# KiCad board MXKeyboard.kicad_pcb (continued)
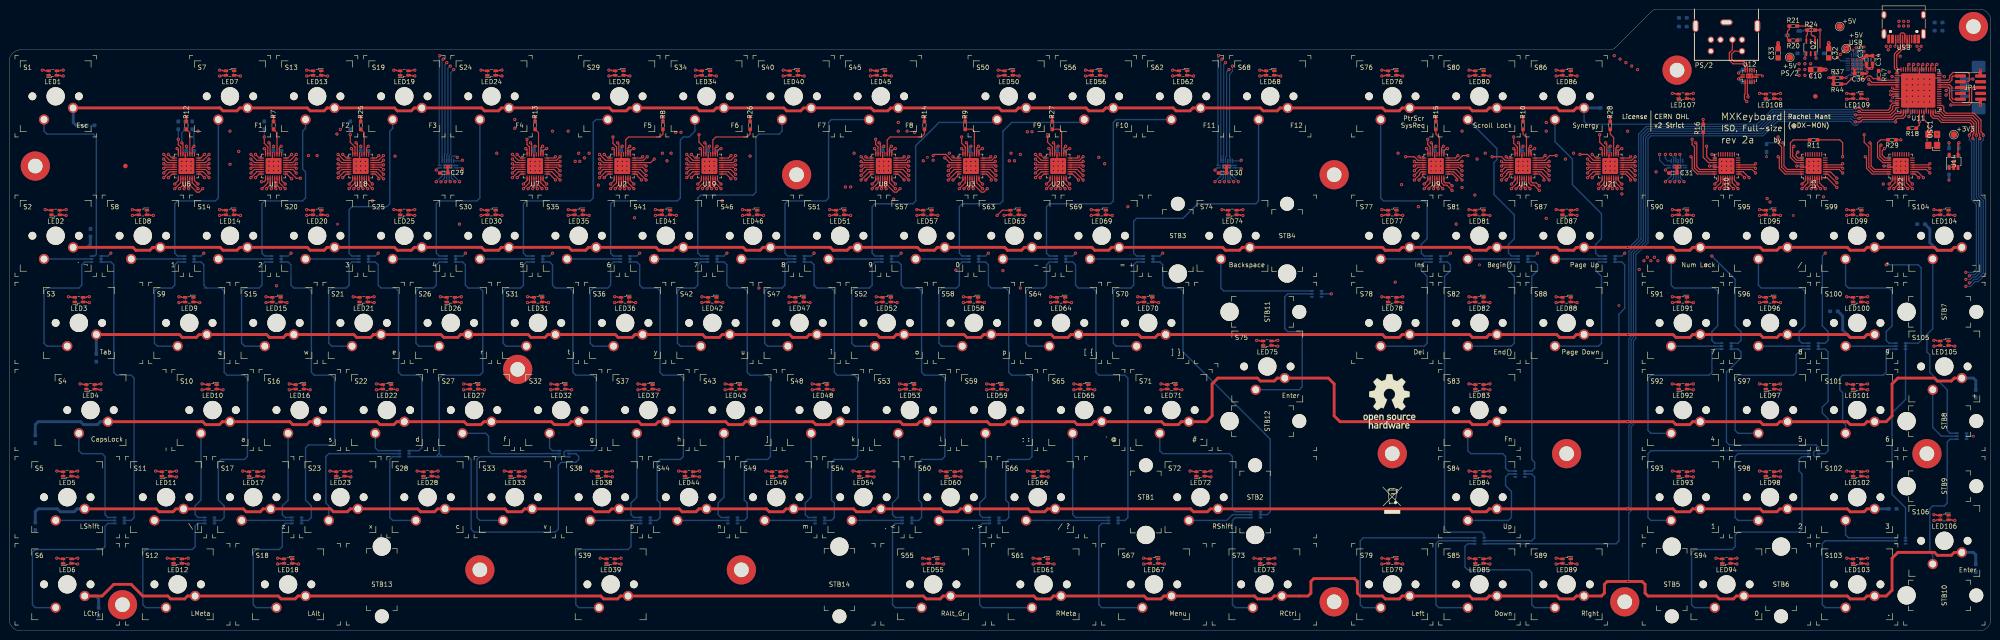
[diagram p0: board, top side]
## Routing (per net, layer and track width the routed paths; a pad name or vN(x,y) marks a point on that pad's centre or on a via; arc(x,y) is an arc through that point) (continued)
Net-(LED48-Pad3): length 93.5
  Top w0.254: v1(138.43,103.63) 138.15,103.35 U2.24 ; LED48.3 176.16,52.84 176.02,52.71 v1(175.51,52.71)
  Route10 w0.254: v1(138.43,103.63) 139.19,104.39 139.83,104.39 140.21,104.01 140.21,102.74 140.72,102.24 141.73,102.24 154.31,89.66 154.31,77.47 154.94,76.84 180.97,76.84 181.61,76.2 181.61,57.15 177.16,52.71 v1(175.51,52.71)
Net-(LED49-Pad2): length 108.2
  Top w0.254: v1(187.2,103.63) 187.48,103.35 U8.1 ; LED49.2 169.28,33.79 169.42,33.66 v1(169.93,33.66)
  Route4 w0.254: v1(169.93,33.66) 176.53,33.66 177.16,34.29 177.16,35.56 177.8,36.2 184.78,36.2 185.42,36.83 185.42,55.25 184.78,55.88 181.61,55.88 180.97,56.52 180.97,74.93 180.34,75.57 172.08,75.57 171.45,76.2 171.45,90.04 185.8,104.39 186.44,104.39 v1(187.2,103.63)
Net-(LED49-Pad3): length 97.2
  Top w0.254: v1(206.25,103.63) 206.53,103.35 U3.1 ; LED49.3 169.28,34.79 169.42,34.93 v1(169.93,34.93)
  Route10 w0.254: v1(206.25,103.63) 204.98,102.36 203.58,102.36 189.87,88.65 189.87,76.2 189.23,75.57 183.51,75.57 182.88,74.93 182.88,56.52 183.51,55.88 184.78,55.88 185.42,55.25 185.42,44.45 175.89,34.93 v1(169.93,34.93)
Net-(LED50-Pad2): length 44.2
  Top w0.254: v1(186.18,103.63) 186.96,102.85 U8.2 ; v1(216.15,122.56) 216.66,122.56 216.8,122.42 LED50.2
  Route4 w0.254: v1(216.15,122.56) 207.64,122.56 v1(194.31,109.22)
  Route6 w0.254: v1(194.31,109.22) 193.67,108.59 187.32,108.59 186.69,107.95 186.69,104.14 v1(186.18,103.63)
Net-(LED50-Pad3): length 39
  Top w0.254: v1(201.93,103.89) 202.18,104.14 204.72,104.14 206.01,102.85 U3.2 ; v1(216.15,121.29) 216.66,121.29 216.8,121.42 LED50.3
  Route10 w0.254: v1(216.15,121.29) 202.56,121.29 201.93,120.65 v1(201.93,103.89)
Net-(LED51-Pad2): length 17.7
  Top w0.254: v1(186.18,102.62) 186.45,102.35 U8.3 ; v1(179.32,92.08) 179.83,92.08 179.97,91.94 LED51.2
  Route4 w0.254: v1(179.32,92.08) 179.32,93.85 182.5,97.03 v1(182.75,97.03)
  Route10 w0.254: v1(186.18,102.62) 185.8,102.62 184.78,101.6 184.78,99.06 v1(182.75,97.03)
Net-(LED51-Pad3): length 35.4
  Top w0.254: v1(204.47,103.38) 205.5,102.35 U3.3 ; v1(179.32,90.81) 179.83,90.81 179.97,90.94 LED51.3
  Route10 w0.254: v1(179.32,90.81) 180.97,90.81 182.25,92.08 192.28,92.08 203.58,103.38 v1(204.47,103.38)
Net-(LED52-Pad2): length 37.9
  Top w0.254: v1(186.18,101.6) 186.43,101.85 U8.4 ; LED52.2 190.13,72.89 189.99,73.03 v1(189.48,73.03)
  Route4 w0.254: v1(183.9,97.03) 183.9,96.52 184.53,95.89 187.96,95.89 188.59,95.25 188.59,73.91 v1(189.48,73.03)
  Route10 w0.254: v1(186.18,101.6) 185.93,101.6 185.42,101.09 185.42,98.55 v1(183.9,97.03)
Net-(LED52-Pad3): length 43.7
  Top w0.254: v1(205.23,101.6) 205.48,101.85 U3.4 ; v1(189.48,71.76) 189.99,71.76 190.13,71.89 LED52.3
  Route10 w0.254: v1(189.48,71.76) 188.59,71.76 187.96,72.39 187.96,74.3 188.59,74.93 189.87,74.93 190.5,75.57 190.5,88.27 203.83,101.6 v1(205.23,101.6)
Net-(LED53-Pad2): length 79.3
  Top w0.254: v1(186.18,100.58) 186.95,101.35 U8.5 ; LED53.2 195.21,53.84 195.07,53.98 v1(194.56,53.98)
  Route4 w0.254: v1(186.18,100.58) 183.01,100.58 172.08,89.66 172.08,76.84 172.72,76.2 180.97,76.2 181.61,75.57 181.61,57.15 182.25,56.52 193.67,56.52 194.56,55.63 v1(194.56,53.98)
Net-(LED53-Pad3): length 71
  Top w0.254: v1(205.23,100.58) 206,101.35 U3.5 ; LED53.3 195.21,52.84 195.07,52.71 v1(194.56,52.71)
  Route10 w0.254: v1(205.23,100.58) 203.83,100.58 191.13,87.88 191.13,75.57 191.77,74.93 200.02,74.93 200.66,74.3 200.66,57.15 196.21,52.71 v1(194.56,52.71)
Net-(LED54-Pad2): length 122.4
  Top w0.254: v1(186.18,99.57) 187.46,100.85 U8.6 ; LED54.2 188.33,33.79 188.47,33.66 v1(188.98,33.66)
  Route4 w0.254: v1(186.18,99.57) 183.01,99.57 172.72,89.28 172.72,77.47 173.35,76.84 181.61,76.84 182.25,76.2 182.25,57.79 182.88,57.15 203.83,57.15 204.47,56.52 204.47,38.1 203.83,37.47 198.12,37.47 197.48,36.83 197.48,34.29 196.85,33.66 v1(188.98,33.66)
Net-(LED54-Pad3): length 96.5
  Top w0.254: v1(205.23,99.57) 206.51,100.85 U3.6 ; LED54.3 188.33,34.79 188.47,34.93 v1(188.98,34.93)
  Route10 w0.254: v1(205.23,99.57) 203.83,99.57 191.77,87.5 191.77,76.2 192.4,75.57 200.66,75.57 201.29,74.93 201.29,56.52 201.93,55.88 203.83,55.88 204.47,55.25 204.47,44.45 194.94,34.93 v1(188.98,34.93)
Net-(LED55-Pad2): length 132.1
  Top w0.254: v1(186.18,98.55) 187.98,100.35 U8.7 ; LED55.2 200.29,15.74 200.15,15.88 v1(199.64,15.88)
  Route4 w0.254: v1(199.64,15.88) 198.75,15.88 198.12,16.51 198.12,36.2 198.75,36.83 204.47,36.83 205.1,37.47 205.1,57.15 204.47,57.79 183.51,57.79 182.88,58.42 182.88,76.84 182.25,77.47 173.99,77.47 173.35,78.11 173.35,88.9 183.01,98.55 v1(186.18,98.55)
Net-(LED55-Pad3): length 110.8
  Top w0.254: v1(205.23,98.55) 207.03,100.35 U3.7 ; LED55.3 200.29,14.74 200.15,14.61 v1(199.64,14.61)
  Route10 w0.254: v1(199.64,14.61) 198.12,14.61 197.48,15.24 197.48,36.2 205.1,43.82 205.1,55.88 204.47,56.52 202.56,56.52 201.93,57.15 201.93,75.57 201.29,76.2 193.04,76.2 192.4,76.84 192.4,87.12 203.83,98.55 v1(205.23,98.55)
Net-(LED56-Pad2): length 72.7
  Top w0.254: v1(187.2,98.55) 188.21,99.57 188.21,99.7 188.37,99.85 U8.8 ; LED56.2 235.85,122.42 235.71,122.56 v1(235.2,122.56)
  Route4 w0.254: v1(235.2,122.56) 233.93,123.83 207.01,123.83 v1(194.31,111.13)
  Route6 w0.254: v1(194.31,111.13) 192.4,109.22 186.06,109.22 185.42,108.59 185.42,98.3 185.93,97.79 186.44,97.79 v1(187.2,98.55)
Net-(LED56-Pad3): length 61.3
  Top w0.254: v1(206.25,98.55) 206.38,98.55 207.26,99.44 207.26,99.7 207.42,99.85 U3.8 ; LED56.3 235.85,121.42 235.71,121.29 v1(235.2,121.29)
  Route10 w0.254: v1(235.2,121.29) 227.33,121.29 226.06,120.02 203.83,120.02 203.2,119.38 203.2,104.14 v1(201.93,102.87)
  Route12 w0.254: v1(201.93,102.87) 202.44,102.36 205.61,102.36 206.25,101.73 v1(206.25,98.55)
Net-(LED57-Pad2): length 17.3
  Top w0.254: v1(188.59,97.66) 189.38,98.45 U8.9 ; LED57.2 199.02,91.94 198.88,92.08 v1(198.37,92.08)
  Route4 w0.254: v1(193.29,94.36) 193.29,92.71 193.93,92.08 v1(198.37,92.08)
  Route6 w0.254: v1(193.29,94.36) 192.4,95.25 192.4,97.16 191.9,97.66 v1(188.59,97.66)
Net-(LED57-Pad3): length 17.4
  Top w0.254: v1(207.64,97.66) 208.44,98.45 U3.9 ; v1(198.37,90.81) 198.88,90.81 199.02,90.94 LED57.3
  Route10 w0.254: v1(207.64,97.66) 206.38,96.39 206.38,92.71 205.74,92.08 201.29,92.08 200.02,90.81 v1(198.37,90.81)
Net-(LED58-Pad2): length 46.1
  Top w0.254: v1(188.59,96.65) 189.88,97.94 U8.10 ; LED58.2 209.18,72.89 209.04,73.03 v1(208.53,73.03)
  Route4 w0.254: v1(208.53,73.03) 204.47,73.03 202.56,74.93 189.87,74.93 189.23,75.57 189.23,96.01 v1(188.59,96.65)
Net-(LED58-Pad3): length 32.1
  Top w0.254: v1(207.64,96.65) 208.94,97.94 U3.10 ; v1(208.53,71.76) 209.04,71.76 209.18,71.89 LED58.3
  Route10 w0.254: v1(208.53,71.76) 207.64,71.76 207.01,72.39 207.01,74.3 207.64,74.93 208.28,74.93 208.91,75.57 208.91,95.38 v1(207.64,96.65)
Net-(LED59-Pad2): length 77.7
  Top w0.254: v1(189.61,96.65) 190.38,97.42 U8.11 ; v1(213.61,53.98) 214.12,53.98 214.26,53.84 LED59.2
  Route4 w0.254: v1(213.61,53.98) 215.9,53.98 218.44,56.52 218.44,74.3 217.81,74.93 203.83,74.93 203.2,75.57 190.5,75.57 189.87,76.2 189.87,96.39 v1(189.61,96.65)
Net-(LED59-Pad3): length 59.6
  Top w0.254: v1(208.66,96.65) 209.44,97.42 U3.11 ; v1(213.61,52.71) 214.12,52.71 214.26,52.84 LED59.3
  Route10 w0.254: v1(208.66,96.65) 209.55,95.76 209.55,75.57 210.19,74.93 217.81,74.93 218.44,74.3 218.44,55.88 215.26,52.71 v1(213.61,52.71)
Net-(LED60-Pad2): length 112.5
  Top w0.254: v1(190.63,96.65) 190.88,96.91 U8.12 ; LED60.2 207.38,33.79 207.52,33.66 v1(208.03,33.66)
  Route4 w0.254: v1(190.63,96.65) 190.5,96.52 190.5,76.84 191.13,76.2 203.83,76.2 204.47,75.57 218.44,75.57 219.07,74.93 219.07,56.52 219.71,55.88 222.88,55.88 223.52,55.25 223.52,38.1 222.88,37.47 217.17,37.47 216.53,36.83 216.53,34.29 215.9,33.66 v1(208.03,33.66)
Net-(LED60-Pad3): length 87.6
  Top w0.254: v1(209.68,96.65) 209.94,96.91 U3.12 ; LED60.3 207.38,34.79 207.52,34.93 v1(208.03,34.93)
  Route10 w0.254: v1(209.68,96.65) 210.19,96.14 210.19,76.2 210.82,75.57 218.44,75.57 219.07,74.93 219.07,56.52 219.71,55.88 222.88,55.88 223.52,55.25 223.52,44.45 214,34.93 v1(208.03,34.93)
Net-(LED61-Pad2): length 128.6
  Top w0.254: v1(191.64,96.65) 191.38,96.91 U8.13 ; LED61.2 224.42,15.74 224.28,15.88 v1(223.77,15.88)
  Route4 w0.254: v1(191.64,96.65) 191.13,96.14 191.13,77.47 191.77,76.84 204.47,76.84 205.1,76.2 219.07,76.2 219.71,75.57 219.71,57.15 220.34,56.52 223.52,56.52 224.15,55.88 224.15,37.47 223.52,36.83 217.81,36.83 217.17,36.2 217.17,16.51 217.81,15.88 v1(223.77,15.88)
Net-(LED61-Pad3): length 107.9
  Top w0.254: v1(210.69,96.65) 210.44,96.91 U3.13 ; LED61.3 224.42,14.74 224.28,14.61 v1(223.77,14.61)
  Route10 w0.254: v1(223.77,14.61) 217.17,14.61 216.53,15.24 216.53,36.2 224.15,43.82 224.15,55.88 223.52,56.52 220.34,56.52 219.71,57.15 219.71,75.57 219.07,76.2 211.45,76.2 210.82,76.84 210.82,96.52 v1(210.69,96.65)
Net-(LED62-Pad2): length 85.2
  Top w0.254: v1(194.69,96.65) 193.93,95.89 193.42,95.89 191.88,97.42 U8.14 ; v1(254.25,122.56) 254.76,122.56 254.9,122.42 LED62.2
  Route4 w0.254: v1(196.21,109.22) 197.48,110.49 200.66,110.49 210.19,120.02 251.71,120.02 v1(254.25,122.56)
  Route6 w0.254: v1(194.69,96.65) 194.69,97.79 193.67,98.81 193.67,104.14 194.31,104.78 195.58,104.78 196.21,105.41 v1(196.21,109.22)
Net-(LED62-Pad3): length 66.5
  Top w0.254: v1(213.74,96.65) 212.98,95.89 212.47,95.89 210.94,97.42 U3.14 ; LED62.3 254.9,121.42 254.76,121.29 v1(254.25,121.29)
  Route4 w0.254: v1(213.74,96.65) 215.39,96.65 219.71,100.97 v1(219.71,102.74)
  Route10 w0.254: v1(219.71,102.74) 219.71,111.13 220.34,111.76 225.42,111.76 226.06,112.4 226.06,117.48 228.6,120.02 245.11,120.02 246.38,121.29 v1(254.25,121.29)
Net-(LED63-Pad2): length 37.6
  Top w0.254: v1(193.67,96.65) 192.38,97.94 U8.15 ; LED63.2 217.03,91.94 v1(215.9,90.81)
  Route4 w0.254: v1(193.67,96.65) 192.4,95.38 192.4,90.17 193.04,89.54 214.63,89.54 v1(215.9,90.81)
Net-(LED63-Pad3): length 14
  Top w0.254: v1(212.72,96.65) 211.44,97.94 U3.15 ; v1(217.42,90.81) 217.93,90.81 218.07,90.94 LED63.3
  Route10 w0.254: v1(217.42,90.81) 217.42,92.46 216.53,93.35 213.36,93.35 212.72,93.98 v1(212.72,96.65)
Net-(LED64-Pad2): length 62.9
  Top w0.254: v1(193.67,97.66) 192.88,98.45 U8.16 ; v1(227.58,73.03) 228.09,73.03 228.23,72.89 LED64.2
  Route4 w0.254: v1(227.58,73.03) 222.88,73.03 222.25,73.66 222.25,76.2 221.62,76.84 205.74,76.84 205.1,77.47 192.4,77.47 191.77,78.11 191.77,95.76 v1(193.67,97.66)
Net-(LED64-Pad3): length 44.6
  Top w0.254: v1(212.72,97.66) 211.94,98.45 U3.16 ; LED64.3 228.23,71.89 228.09,71.76 v1(227.58,71.76)
  Route10 w0.254: v1(227.58,71.76) 226.69,71.76 226.06,72.39 226.06,76.2 225.42,76.84 212.09,76.84 211.45,77.47 211.45,96.39 v1(212.72,97.66)
Net-(LED65-Pad2): length 86.6
  Top w0.254: v1(195.58,98.55) 194.28,99.85 U8.17 ; v1(232.66,53.98) 233.17,53.98 233.31,53.84 LED65.2
  Route4 w0.254: v1(195.58,98.55) 196.34,97.79 198.5,97.79 204.22,92.08 223.01,92.08 227.33,87.76 227.33,75.57 227.96,74.93 236.85,74.93 237.49,74.3 237.49,56.52 234.95,53.98 v1(232.66,53.98)
Net-(LED65-Pad3): length 70.4
  Top w0.254: U3.17 213.59,99.85 214.63,98.81 v1(214.63,98.55) ; LED65.3 233.31,52.84 233.17,52.71 v1(232.66,52.71)
  Route10 w0.254: v1(214.63,98.55) 215.39,97.79 217.3,97.79 227.33,87.76 227.33,75.57 227.96,74.93 238.12,74.93 238.76,74.3 238.76,57.15 234.31,52.71 v1(232.66,52.71)
Net-(LED66-Pad2): length 123.5
  Top w0.254: v1(196.6,98.55) 194.8,100.35 U8.18 ; v1(227.08,33.66) 226.57,33.66 226.43,33.79 LED66.2
  Route4 w0.254: v1(196.6,98.55) 198.75,98.55 204.6,92.71 223.39,92.71 227.96,88.14 227.96,76.2 228.6,75.57 237.49,75.57 238.12,74.93 238.12,56.52 238.76,55.88 241.94,55.88 242.57,55.25 242.57,34.29 241.94,33.66 v1(227.08,33.66)
Net-(LED66-Pad3): length 103.2
  Top w0.254: v1(215.65,98.55) 213.85,100.35 U3.18 ; LED66.3 226.43,34.79 226.57,34.93 v1(227.08,34.93)
  Route10 w0.254: v1(215.65,98.55) 217.55,98.55 227.96,88.14 227.96,76.2 228.6,75.57 238.76,75.57 239.39,74.93 239.39,56.52 240.03,55.88 241.94,55.88 242.57,55.25 242.57,35.56 241.94,34.93 v1(227.08,34.93)
Net-(LED67-Pad2): length 131.6
  Top w0.254: v1(196.6,99.57) 195.31,100.85 U8.19 ; v1(247.9,15.88) 248.41,15.88 248.55,15.74 LED67.2
  Route4 w0.254: v1(196.6,99.57) 198.75,99.57 204.98,93.35 223.77,93.35 228.6,88.52 228.6,76.84 229.23,76.2 238.12,76.2 238.76,75.57 238.76,57.15 239.39,56.52 242.57,56.52 243.2,55.88 243.2,16.51 243.84,15.88 v1(247.9,15.88)
Net-(LED67-Pad3): length 113.8
  Top w0.254: v1(215.65,99.57) 214.36,100.85 U3.19 ; LED67.3 248.55,14.74 248.41,14.61 v1(247.9,14.61)
  Route10 w0.254: v1(215.65,99.57) 217.55,99.57 228.6,88.52 228.6,76.84 229.23,76.2 239.39,76.2 240.03,75.57 240.03,57.15 240.66,56.52 242.57,56.52 243.2,55.88 243.2,15.24 243.84,14.61 v1(247.9,14.61)
Net-(LED68-Pad2): length 100.8
  Top w0.254: v1(196.6,100.58) 195.83,101.35 U8.20 ; v1(273.3,122.56) 273.81,122.56 273.95,122.42 LED68.2
  Route4 w0.254: v1(197.87,108.97) 198.12,109.22 220.34,109.22 221.62,110.49 224.79,110.49 226.06,109.22 244.47,109.22 245.11,109.86 245.11,118.11 245.75,118.75 252.73,118.75 254,120.02 270.76,120.02 v1(273.3,122.56)
  Route6 w0.254: v1(197.87,108.97) 197.48,108.59 197.48,101.09 196.98,100.58 v1(196.6,100.58)
Net-(LED68-Pad3): length 81.9
  Top w0.254: v1(215.65,100.58) 214.88,101.35 U3.20 ; LED68.3 273.95,121.42 273.81,121.29 v1(273.3,121.29)
  Route6 w0.254: v1(220.98,104.14) 220.34,103.51 217.17,103.51 216.53,102.87 216.53,101.09 216.03,100.58 v1(215.65,100.58)
  Route10 w0.254: v1(273.3,121.29) 272.03,120.02 249.56,120.02 248.92,119.38 248.92,109.86 248.28,109.22 227.96,109.22 226.69,110.49 221.62,110.49 220.98,109.86 v1(220.98,104.14)
Net-(LED69-Pad2): length 49.3
  Top w0.254: v1(196.6,101.6) 196.35,101.85 U8.21 ; LED69.2 237.12,91.94 236.98,92.08 v1(236.47,92.08)
  Route4 w0.254: v1(236.47,92.08) 229.11,92.08 225.3,95.89 206.5,95.89 199.77,102.62 v1(199.77,102.74)
  Route10 w0.254: v1(199.77,102.74) 198.63,101.6 v1(196.6,101.6)
Net-(LED69-Pad3): length 30.8
  Top w0.254: v1(215.65,101.6) 215.4,101.85 U3.21 ; LED69.3 237.12,90.94 236.98,90.81 v1(236.47,90.81)
  Route4 w0.254: v1(218.57,102.74) 217.42,101.6 v1(215.65,101.6)
  Route10 w0.254: v1(218.57,102.74) 218.57,102.62 230.38,90.81 v1(236.47,90.81)
Net-(LED70-Pad2): length 74.9
  Top w0.254: v1(196.6,102.62) 196.33,102.35 U8.22 ; LED70.2 247.28,72.89 247.14,73.03 v1(246.63,73.03)
  Route4 w0.254: v1(196.6,102.62) 196.72,102.62 205.36,93.98 224.15,93.98 229.23,88.9 229.23,77.47 229.87,76.84 240.66,76.84 241.3,76.2 241.3,73.66 241.94,73.03 v1(246.63,73.03)
Net-(LED70-Pad3): length 57.3
  Top w0.254: v1(215.52,102.62) 215.25,102.35 U3.22 ; LED70.3 247.28,71.89 247.14,71.76 v1(246.63,71.76)
  Route10 w0.254: v1(246.63,71.76) 241.3,71.76 240.66,72.39 240.66,76.2 240.03,76.84 229.87,76.84 229.23,77.47 229.23,88.9 216.53,101.6 216.53,101.85 215.77,102.62 v1(215.52,102.62)
Net-(LED71-Pad2): length 105.1
  Top w0.254: v1(196.6,103.63) 195.81,102.85 U8.23 ; v1(251.71,53.98) 252.22,53.98 252.36,53.84 LED71.2
  Route4 w0.254: v1(196.6,103.63) 196.72,103.63 205.74,94.62 224.54,94.62 229.87,89.28 229.87,78.11 230.5,77.47 250.19,77.47 256.54,71.12 256.54,56.52 254,53.98 v1(251.71,53.98)
Net-(LED71-Pad3): length 87.5
  Top w0.254: v1(215.52,103.63) 214.74,102.85 U3.23 ; v1(251.71,52.71) 252.22,52.71 252.36,52.84 LED71.3
  Route10 w0.254: v1(215.52,103.63) 215.77,103.63 217.04,102.36 217.04,102.11 229.87,89.28 229.87,78.11 230.5,77.47 250.82,77.47 256.54,71.76 256.54,55.88 253.37,52.71 v1(251.71,52.71)
Net-(LED72-Pad2): length 128.6
  Top w0.254: v1(195.58,103.63) 195.3,103.35 U8.24 ; v1(262.64,33.66) 262.13,33.66 261.99,33.79 LED72.2
  Route4 w0.254: v1(195.58,103.63) 196.34,104.39 196.98,104.39 206.12,95.25 224.92,95.25 230.5,89.66 230.5,78.74 231.14,78.11 250.82,78.11 257.17,71.76 257.17,56.52 257.81,55.88 260.98,55.88 261.62,55.25 261.62,46.99 260.98,46.36 260.98,34.29 261.62,33.66 v1(262.64,33.66)
Net-(LED72-Pad3): length 115.9
  Top w0.254: v1(214.5,103.63) 214.22,103.35 U3.24 ; v1(262.64,34.93) 262.13,34.93 261.99,34.79 LED72.3
  Route10 w0.254: v1(214.5,103.63) 215.26,104.39 216.03,104.39 217.55,102.87 217.55,102.62 230.5,89.66 230.5,78.74 231.14,78.11 250.82,78.11 254,81.28 257.17,81.28 260.35,78.11 262.25,78.11 262.89,77.47 262.89,38.74 261.62,37.47 261.62,35.94 v1(262.64,34.93)
Net-(LED73-Pad2): length 137.4
  Top w0.254: v1(308.1,103.63) 308.38,103.35 U9.1 ; v1(276.61,14.61) 276.1,14.61 275.96,14.74 LED73.2
  Route4 w0.254: v1(276.61,14.61) 268.6,14.61 267.97,15.24 267.97,39.37 263.52,43.82 263.52,74.3 264.16,74.93 291.46,74.93 292.1,75.57 292.1,89.54 306.2,103.63 v1(308.1,103.63)
Net-(LED73-Pad3): length 152.4
  Top w0.254: v1(327.15,103.63) 327.43,103.35 U4.1 ; LED73.3 275.96,15.74 276.1,15.88 v1(276.61,15.88)
  Route10 w0.254: v1(276.61,15.88) 275.34,17.15 268.6,17.15 267.97,17.78 267.97,39.37 263.52,43.82 263.52,73.66 264.16,74.3 280.03,74.3 283.84,78.11 311.15,78.11 311.78,78.74 311.78,89.03 324.87,102.11 324.87,103 325.5,103.63 v1(327.15,103.63)
Net-(LED74-Pad2): length 46.7
  Top w0.254: v1(305.18,103.63) 307.09,103.63 307.87,102.85 U9.2 ; v1(269.62,90.81) 269.11,90.81 268.98,90.94 LED74.2
  Route4 w0.254: v1(269.62,90.81) 292.35,90.81 v1(305.18,103.63)
Net-(LED74-Pad3): length 88.5
  Top w0.254: v1(324.1,103.63) 326.14,103.63 326.92,102.85 U4.2 ; LED74.3 268.98,91.94 269.11,92.08 v1(269.62,92.08)
  Route10 w0.254: v1(269.62,92.08) 274.32,92.08 274.95,91.44 274.95,81.92 275.59,81.28 281.31,81.28 283.84,78.74 310.51,78.74 311.15,79.38 311.15,89.41 324.1,102.36 v1(324.1,103.63)
Net-(LED75-Pad2): length 65.7
  Top w0.254: v1(307.09,102.62) 307.35,102.35 U9.3 ; LED75.2 276.6,62.37 276.73,62.23 v1(277.24,62.23)
  Route4 w0.254: v1(277.24,62.23) 292.1,62.23 292.73,62.87 292.73,89.15 306.2,102.62 v1(307.09,102.62)
Net-(LED75-Pad3): length 89.7
  Top w0.254: v1(326.14,102.62) 326.4,102.35 U4.3 ; v1(277.24,63.5) 276.73,63.5 276.6,63.37 LED75.3
  Route10 w0.254: v1(277.24,63.5) 279.4,63.5 283.21,59.69 312.42,59.69 313.06,60.33 313.06,88.27 320.04,95.25 v1(320.29,95.25)
  Route12 w0.254: v1(320.29,95.25) 324.74,99.7 324.74,101.98 325.37,102.62 v1(326.14,102.62)
Net-(LED76-Pad2): length 41.7
  Top w0.254: v1(307.09,101.6) 307.34,101.85 U9.4 ; LED76.2 300.62,122.42 300.48,122.56 v1(299.97,122.56)
  Route10 w0.254: v1(307.09,101.6) 295.27,101.6 294.64,102.24 294.64,121.92 295.27,122.56 v1(299.97,122.56)
Net-(LED76-Pad3): length 46.3
  Top w0.254: v1(326.14,101.6) 326.39,101.85 U4.4 ; v1(299.97,121.29) 300.48,121.29 300.62,121.42 LED76.3
  Route6 w0.254: v1(317.5,109.22) 317.5,103.89 319.79,101.6 v1(326.14,101.6)
  Route10 w0.254: v1(317.5,109.22) 316.87,109.86 314.32,109.86 313.69,110.49 313.69,119.38 313.06,120.02 301.24,120.02 v1(299.97,121.29)
Net-(LED77-Pad2): length 15.4
  Top w0.254: v1(307.09,100.58) 307.85,101.35 U9.5 ; LED77.2 300.62,91.94 300.48,92.08 v1(299.97,92.08)
  Route4 w0.254: v1(299.97,92.08) 299.97,93.35 304.16,97.54 v1(304.29,97.54)
  Route10 w0.254: v1(304.29,97.54) 304.29,97.79 v1(307.09,100.58)
Net-(LED77-Pad3): length 35.5
  Top w0.254: v1(326.14,100.58) 326.9,101.35 U4.5 ; v1(299.97,90.81) 300.48,90.81 300.62,90.94 LED77.3
  Route6 w0.254: v1(317.5,96.9) 317.63,96.9 321.56,100.84 325.88,100.84 v1(326.14,100.58)
  Route10 w0.254: v1(317.5,96.9) 317.5,96.77 311.53,90.81 307.97,90.81 306.7,92.08 302.89,92.08 301.62,90.81 v1(299.97,90.81)
Net-(LED78-Pad2): length 50.1
  Top w0.254: v1(307.09,99.57) 308.37,100.85 U9.6 ; LED78.2 303.9,71.89 304.04,71.76 v1(304.55,71.76)
  Route4 w0.254: v1(307.09,99.57) 304.16,99.57 293.37,88.77 293.37,72.39 294,71.76 v1(304.55,71.76)
Net-(LED78-Pad3): length 45.5
  Top w0.254: v1(326.14,99.57) 327.42,100.85 U4.6 ; v1(304.55,73.03) 304.04,73.03 303.9,72.89 LED78.3
  Route10 w0.254: v1(326.14,99.57) 323.34,99.57 312.42,88.65 312.42,73.66 311.78,73.03 v1(304.55,73.03)
Net-(LED79-Pad2): length 119
  Top w0.254: v1(307.09,98.55) 308.23,99.7 308.23,99.95 308.63,100.35 U9.7 ; v1(299.97,15.88) 300.48,15.88 300.62,15.74 LED79.2
  Route4 w0.254: v1(299.97,15.88) 309.25,15.88 309.88,16.51 309.88,74.3 309.25,74.93 294.64,74.93 294,75.57 294,88.39 304.16,98.55 v1(307.09,98.55)
Net-(LED79-Pad3): length 108.1
  Top w0.254: v1(326.14,98.55) 327.28,99.7 327.28,99.95 327.68,100.35 U4.7 ; v1(299.97,14.61) 300.48,14.61 300.62,14.74 LED79.3
  Route10 w0.254: v1(326.14,98.55) 323.34,98.55 321.31,96.52 321.31,95 320.67,94.36 320.17,94.36 313.69,87.88 313.69,16.51 313.06,15.88 302.89,15.88 301.62,14.61 v1(299.97,14.61)
Net-(LED80-Pad2): length 38.2
  Top w0.254: v1(308.1,98.55) 308.86,99.31 308.86,99.7 309.02,99.85 U9.8 ; v1(319.02,122.56) 319.53,122.56 319.67,122.42 LED80.2
  Route6 w0.254: v1(308.1,98.55) 307.97,98.68 307.97,102.74 307.34,103.38 307.34,108.59 307.97,109.22 309.25,109.22 309.88,109.86 309.88,121.92 310.51,122.56 v1(319.02,122.56)
Net-(LED80-Pad3): length 37
  Top w0.254: v1(327.15,98.55) 327.91,99.31 327.91,99.7 328.07,99.85 U4.8 ; LED80.3 319.67,121.42 319.53,121.29 v1(319.02,121.29)
  Route6 w0.254: v1(327.15,98.55) 327.02,98.68 327.02,102.74 326.39,103.38 326.39,108.59 327.02,109.22 328.29,109.22 328.93,109.86 328.93,119.38 328.29,120.02 320.29,120.02 v1(319.02,121.29)
Net-(LED81-Pad2): length 19.9
  Top w0.254: v1(309.25,97.66) 310.03,98.45 U9.9 ; LED81.2 319.67,91.94 319.53,92.08 v1(319.02,92.08)
  Route4 w0.254: v1(309.25,97.66) 307.97,96.39 v1(307.97,92.71)
  Route12 w0.254: v1(307.97,92.71) 308.61,92.08 v1(319.02,92.08)
Net-(LED81-Pad3): length 17.4
  Top w0.254: v1(328.29,97.66) 329.08,98.45 U4.9 ; LED81.3 319.67,90.94 319.53,90.81 v1(319.02,90.81)
  Route10 w0.254: v1(328.29,97.66) 327.02,96.39 327.02,92.71 326.39,92.08 321.94,92.08 320.67,90.81 v1(319.02,90.81)
Net-(LED82-Pad2): length 35.2
  Top w0.254: v1(309.25,96.65) 310.53,97.94 U9.10 ; LED82.2 319.67,72.89 319.53,73.03 v1(319.02,73.03)
  Route4 w0.254: v1(319.02,73.03) 313.69,73.03 309.88,76.84 309.88,96.01 v1(309.25,96.65)
Net-(LED82-Pad3): length 39.2
  Top w0.254: v1(328.29,96.65) 329.58,97.94 U4.10 ; v1(319.02,71.76) 319.53,71.76 319.67,71.89 LED82.3
  Route10 w0.254: v1(328.29,96.65) 329.56,95.38 329.56,73.66 328.93,73.03 321.94,73.03 320.67,71.76 v1(319.02,71.76)
Net-(LED83-Pad2): length 71.7
  Top w0.254: v1(310.26,96.65) 311.03,97.42 U9.11 ; v1(323.6,52.71) 323.09,52.71 322.95,52.84 LED83.2
  Route4 w0.254: v1(323.6,52.71) 329.56,52.71 330.2,53.34 330.2,73.03 328.29,74.93 312.67,74.93 310.51,77.09 310.51,96.39 v1(310.26,96.65)
Net-(LED83-Pad3): length 53.4
  Top w0.254: v1(329.31,96.65) 330.08,97.42 U4.11 ; LED83.3 322.95,53.84 323.09,53.98 v1(323.6,53.98)
  Route10 w0.254: v1(323.6,53.98) 329.56,53.98 330.2,54.61 330.2,95.76 v1(329.31,96.65)
Net-(LED84-Pad2): length 91.2
  Top w0.254: v1(311.28,96.65) 311.53,96.91 U9.12 ; v1(323.6,33.66) 323.09,33.66 322.95,33.79 LED84.2
  Route4 w0.254: v1(323.6,33.66) 330.2,33.66 330.83,34.29 330.83,73.28 328.55,75.57 312.93,75.57 311.15,77.34 311.15,96.52 v1(311.28,96.65)
Net-(LED84-Pad3): length 72.8
  Top w0.254: v1(330.33,96.65) 330.58,96.91 U4.12 ; v1(323.6,34.93) 323.09,34.93 322.95,34.79 LED84.3
  Route10 w0.254: v1(323.6,34.93) 330.2,34.93 330.83,35.56 330.83,96.14 v1(330.33,96.65)
Net-(LED85-Pad2): length 111
  Top w0.254: v1(312.29,96.65) 312.03,96.91 U9.13 ; LED85.2 322.95,14.74 323.09,14.61 v1(323.6,14.61)
  Route4 w0.254: v1(323.6,14.61) 330.83,14.61 331.47,15.24 331.47,73.53 328.8,76.2 313.18,76.2 311.78,77.6 311.78,96.14 v1(312.29,96.65)
Net-(LED85-Pad3): length 92.3
  Top w0.254: v1(331.34,96.65) 331.08,96.91 U4.13 ; LED85.3 322.95,15.74 323.09,15.88 v1(323.6,15.88)
  Route10 w0.254: v1(331.34,96.65) 331.47,96.52 331.47,16.51 330.83,15.88 v1(323.6,15.88)
Net-(LED86-Pad2): length 48.7
  Top w0.254: v1(313.31,96.65) 312.53,97.42 U9.14 ; LED86.2 338.72,122.42 338.58,122.56 v1(338.07,122.56)
  Route4 w0.254: v1(313.31,96.65) 313.31,97.41 314.96,99.06 314.96,104.14 322.58,111.76 328.29,111.76 328.93,112.4 328.93,121.92 329.56,122.56 v1(338.07,122.56)
Net-(LED86-Pad3): length 35.2
  Top w0.254: v1(332.36,96.65) 331.58,97.42 U4.14 ; v1(338.07,121.29) 338.58,121.29 338.72,121.42 LED86.3
  Route10 w0.254: v1(332.36,96.65) 332.36,97.41 333.38,98.43 333.38,103.63 334.26,104.52 334.26,105.92 332.74,107.44 332.74,120.65 333.38,121.29 v1(338.07,121.29)
Net-(LED87-Pad2): length 41
  Top w0.254: v1(315.34,96.27) 314.2,97.41 313.56,97.41 313.03,97.94 U9.15 ; v1(342.65,90.81) 342.14,90.81 342,90.94 LED87.2
  Route4 w0.254: v1(316.23,88.9) 315.34,89.79 v1(315.34,96.27)
  Route12 w0.254: v1(316.23,88.9) 318.77,88.9 319.4,89.54 323.21,89.54 323.85,88.9 338.45,88.9 340.36,90.81 v1(342.65,90.81)
Net-(LED87-Pad3): length 15.5
  Top w0.254: v1(334.39,96.27) 333.25,97.41 332.61,97.41 332.08,97.94 U4.15 ; LED87.3 342,91.94 342.14,92.08 v1(342.65,92.08)
  Route10 w0.254: v1(342.65,92.08) 341.38,93.35 337.31,93.35 v1(334.39,96.27)
Net-(LED88-Pad2): length 51.7
  Top w0.254: v1(315.34,97.28) 314.71,97.92 313.82,97.92 313.53,98.2 U9.16 ; LED88.2 338.72,72.89 338.58,73.03 v1(338.07,73.03)
  Route4 w0.254: v1(338.07,73.03) 333.76,73.03 329.31,77.47 313.69,77.47 313.06,78.11 313.06,94.23 314.58,95.76 314.58,96.52 v1(315.34,97.28)
